# Altium PCB Power Distribution Board Rev6.PcbDoc (part 1 of 2)
Units mil, origin at the board's own origin, x right, y up, seen from the top; angles counter-clockwise.
Board outline 4527.56 x 4527.56 mil, 4 copper layers (Top Layer, L2-Ground, L3-Ground, Bottom Layer), stack 62.449 mil thick; 199 components, 106 nets, 617 pads, 267 vias.
Unrouted connection lines stored in the file: 1.
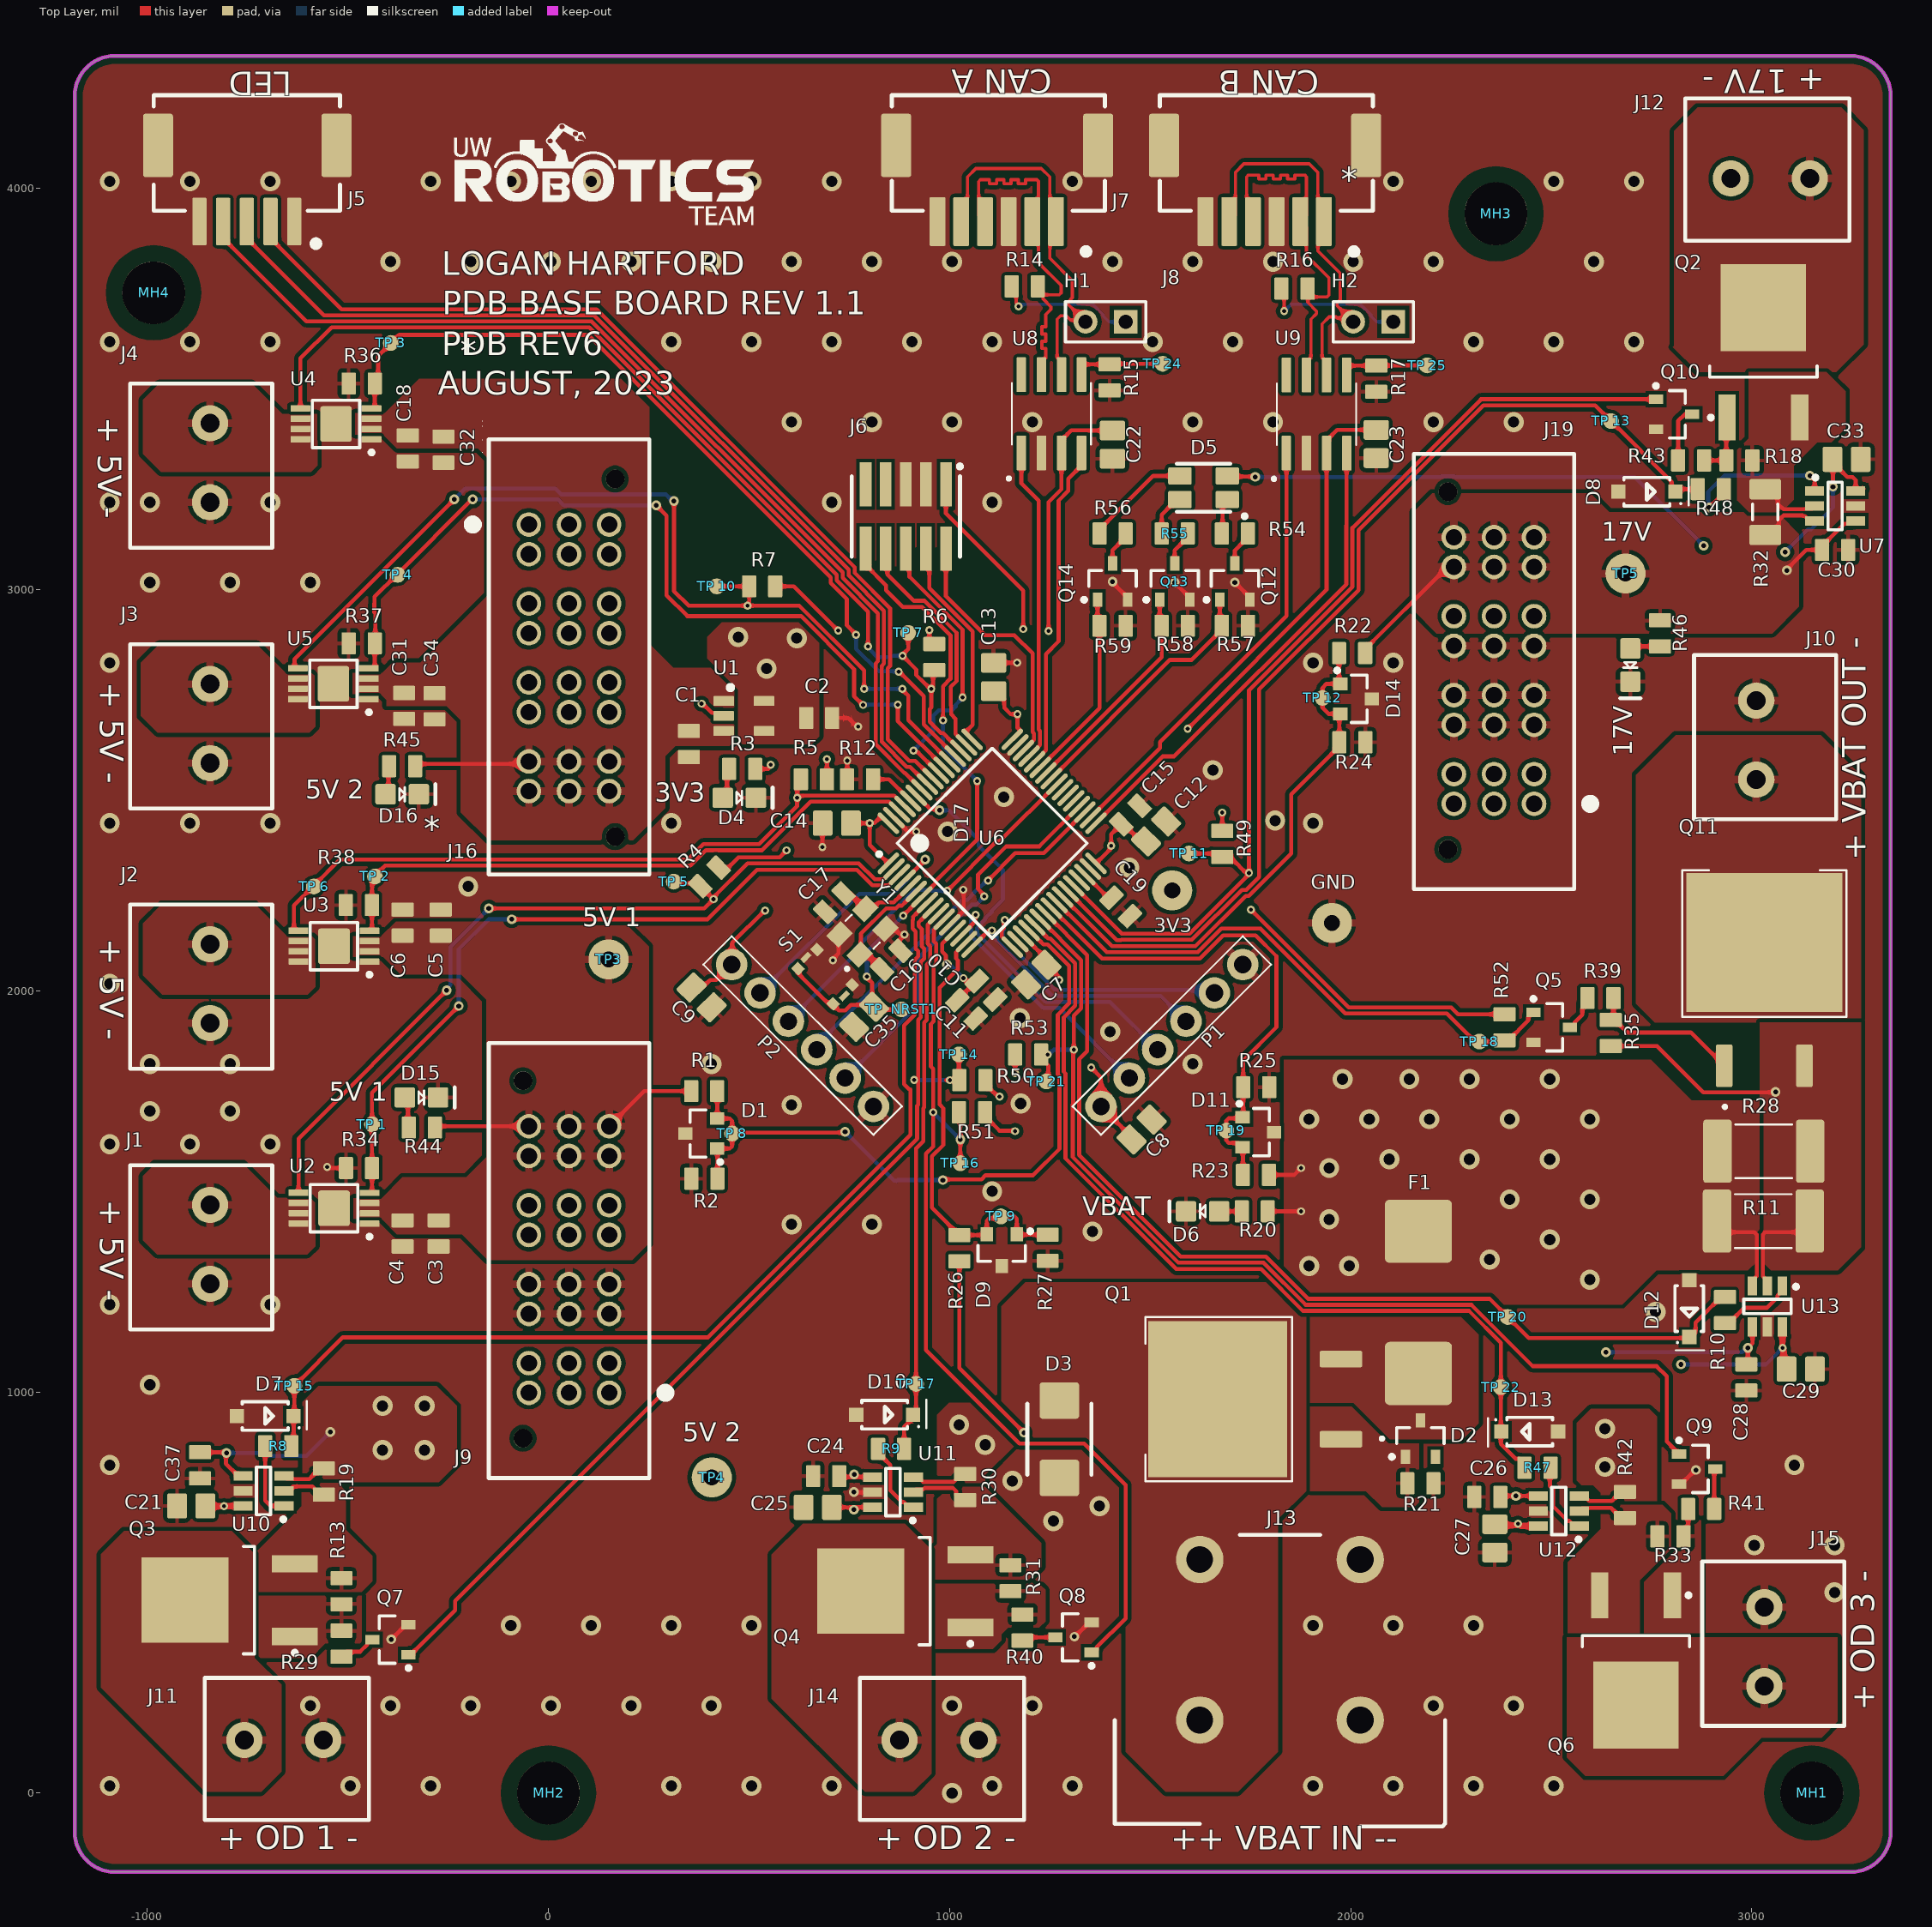
[diagram p0: Top Layer view]
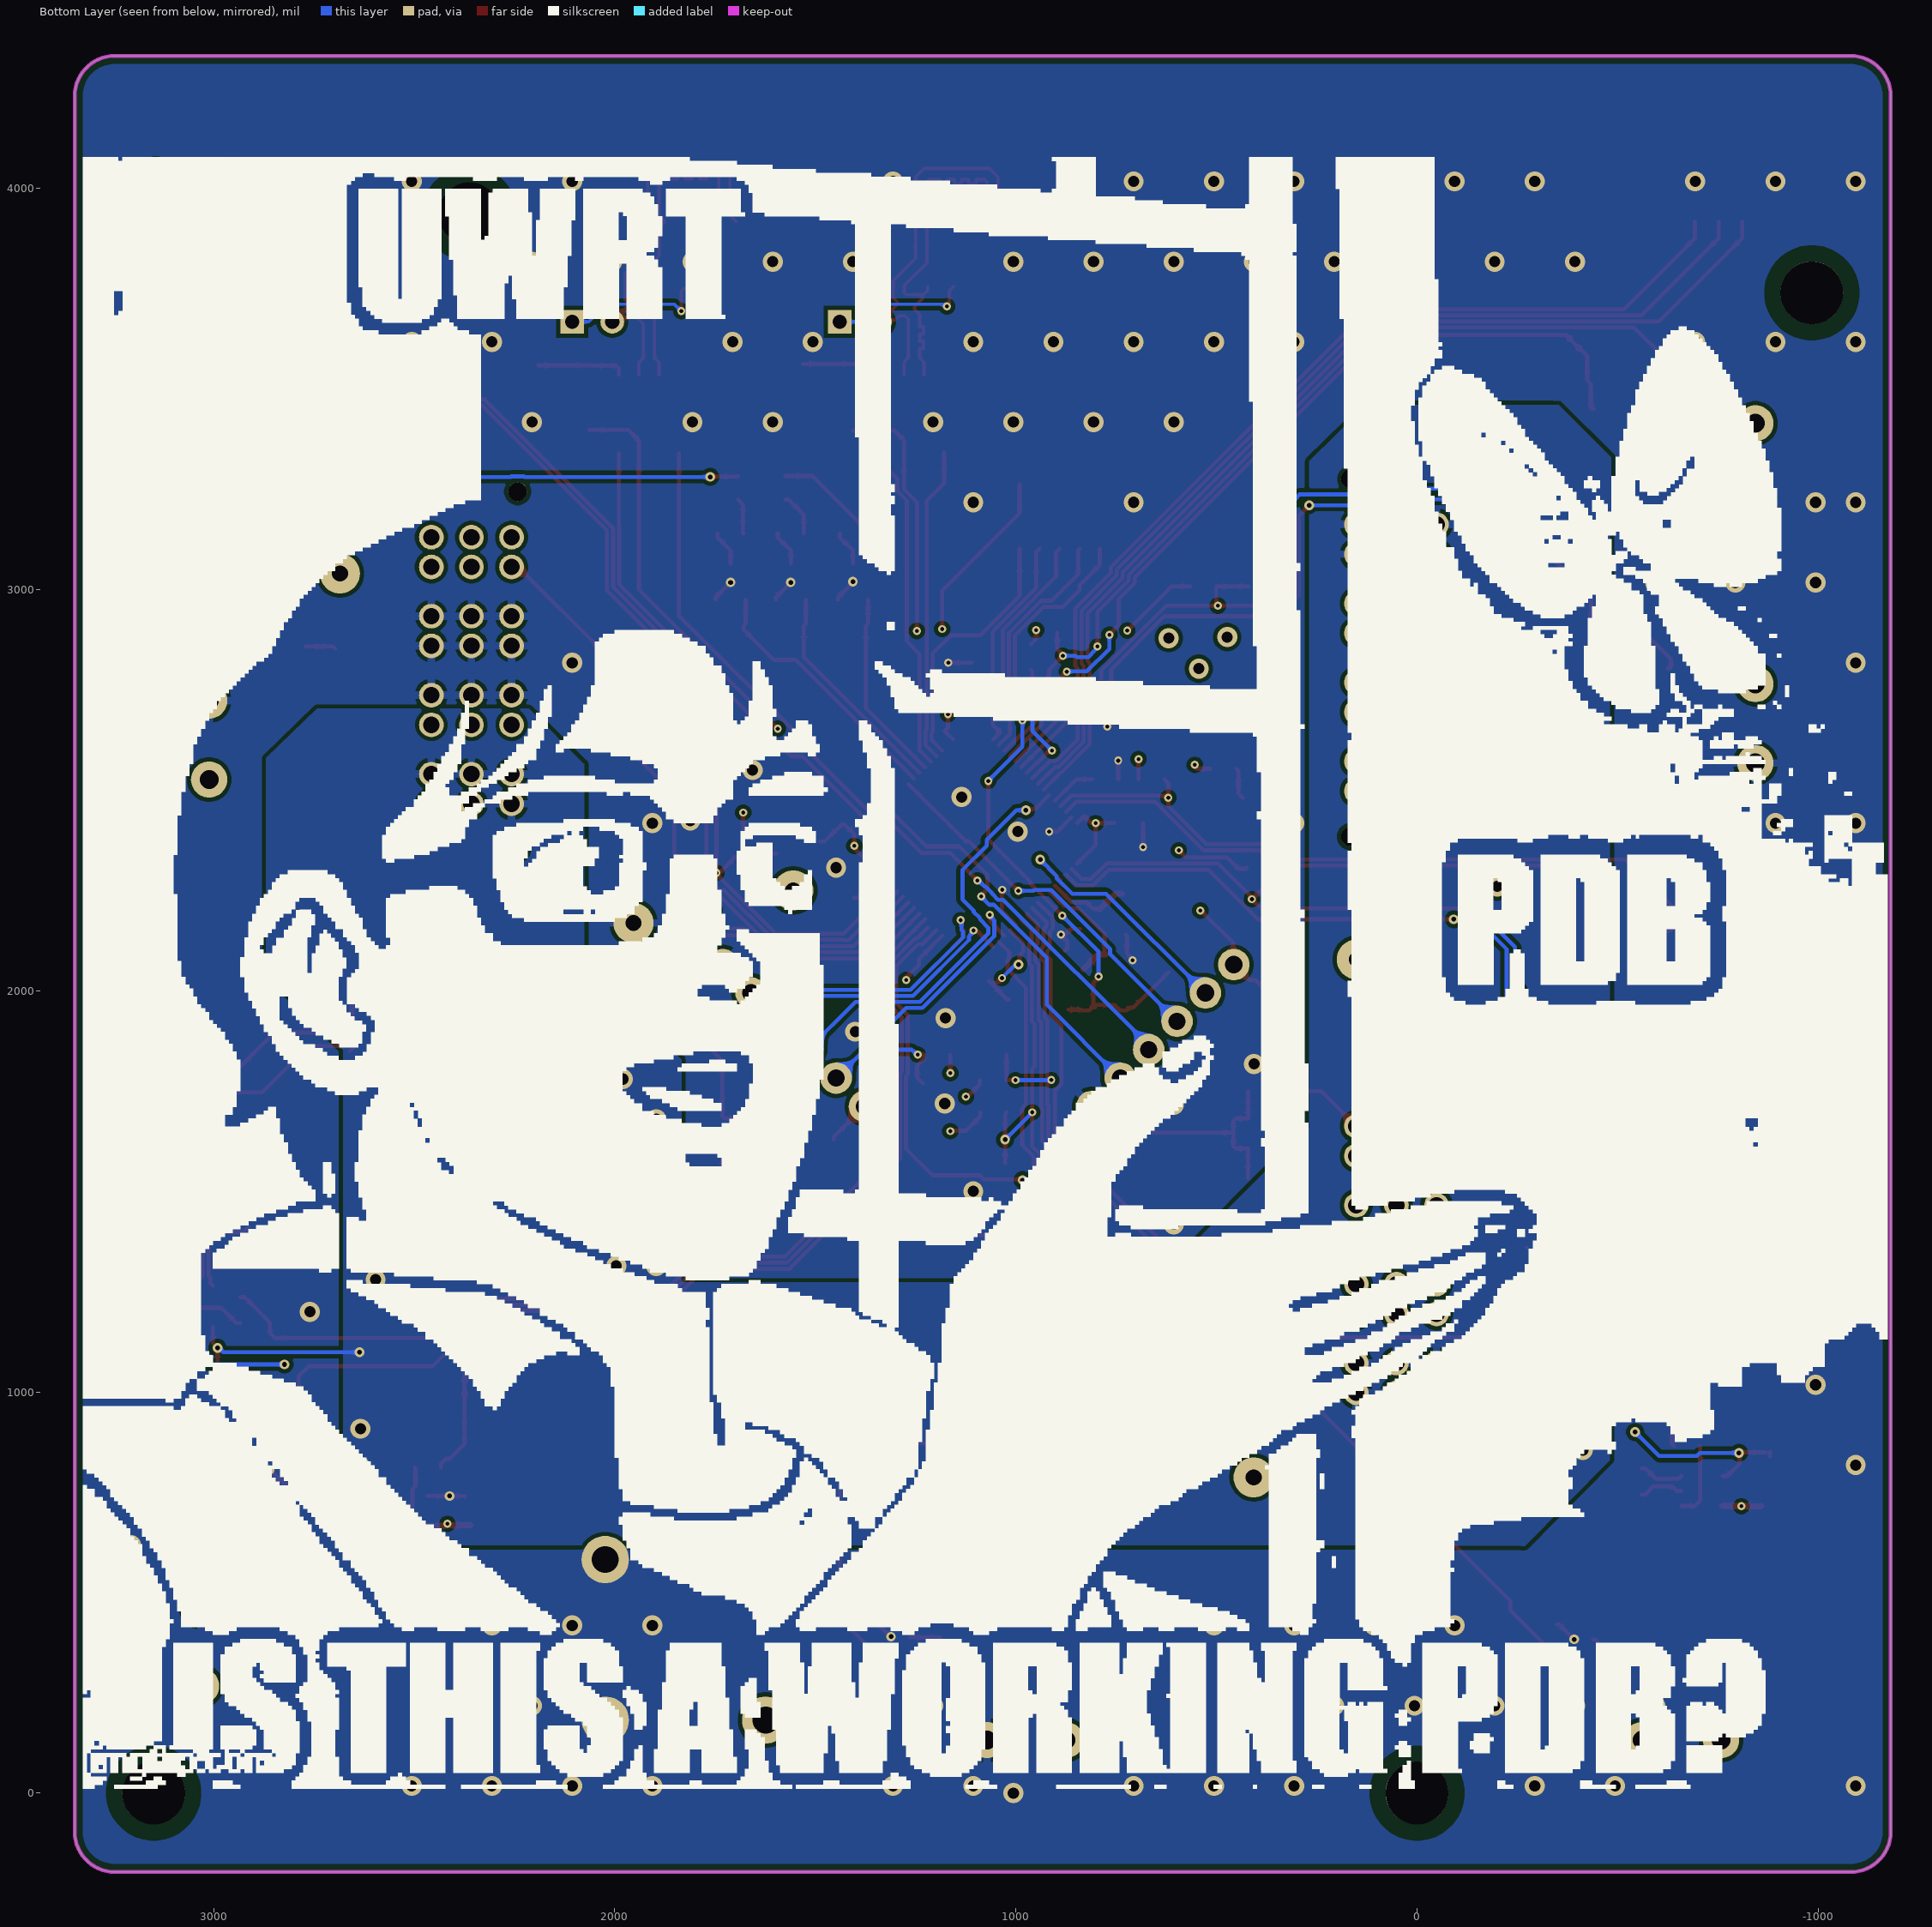
[diagram p1: Bottom Layer view, seen from below]
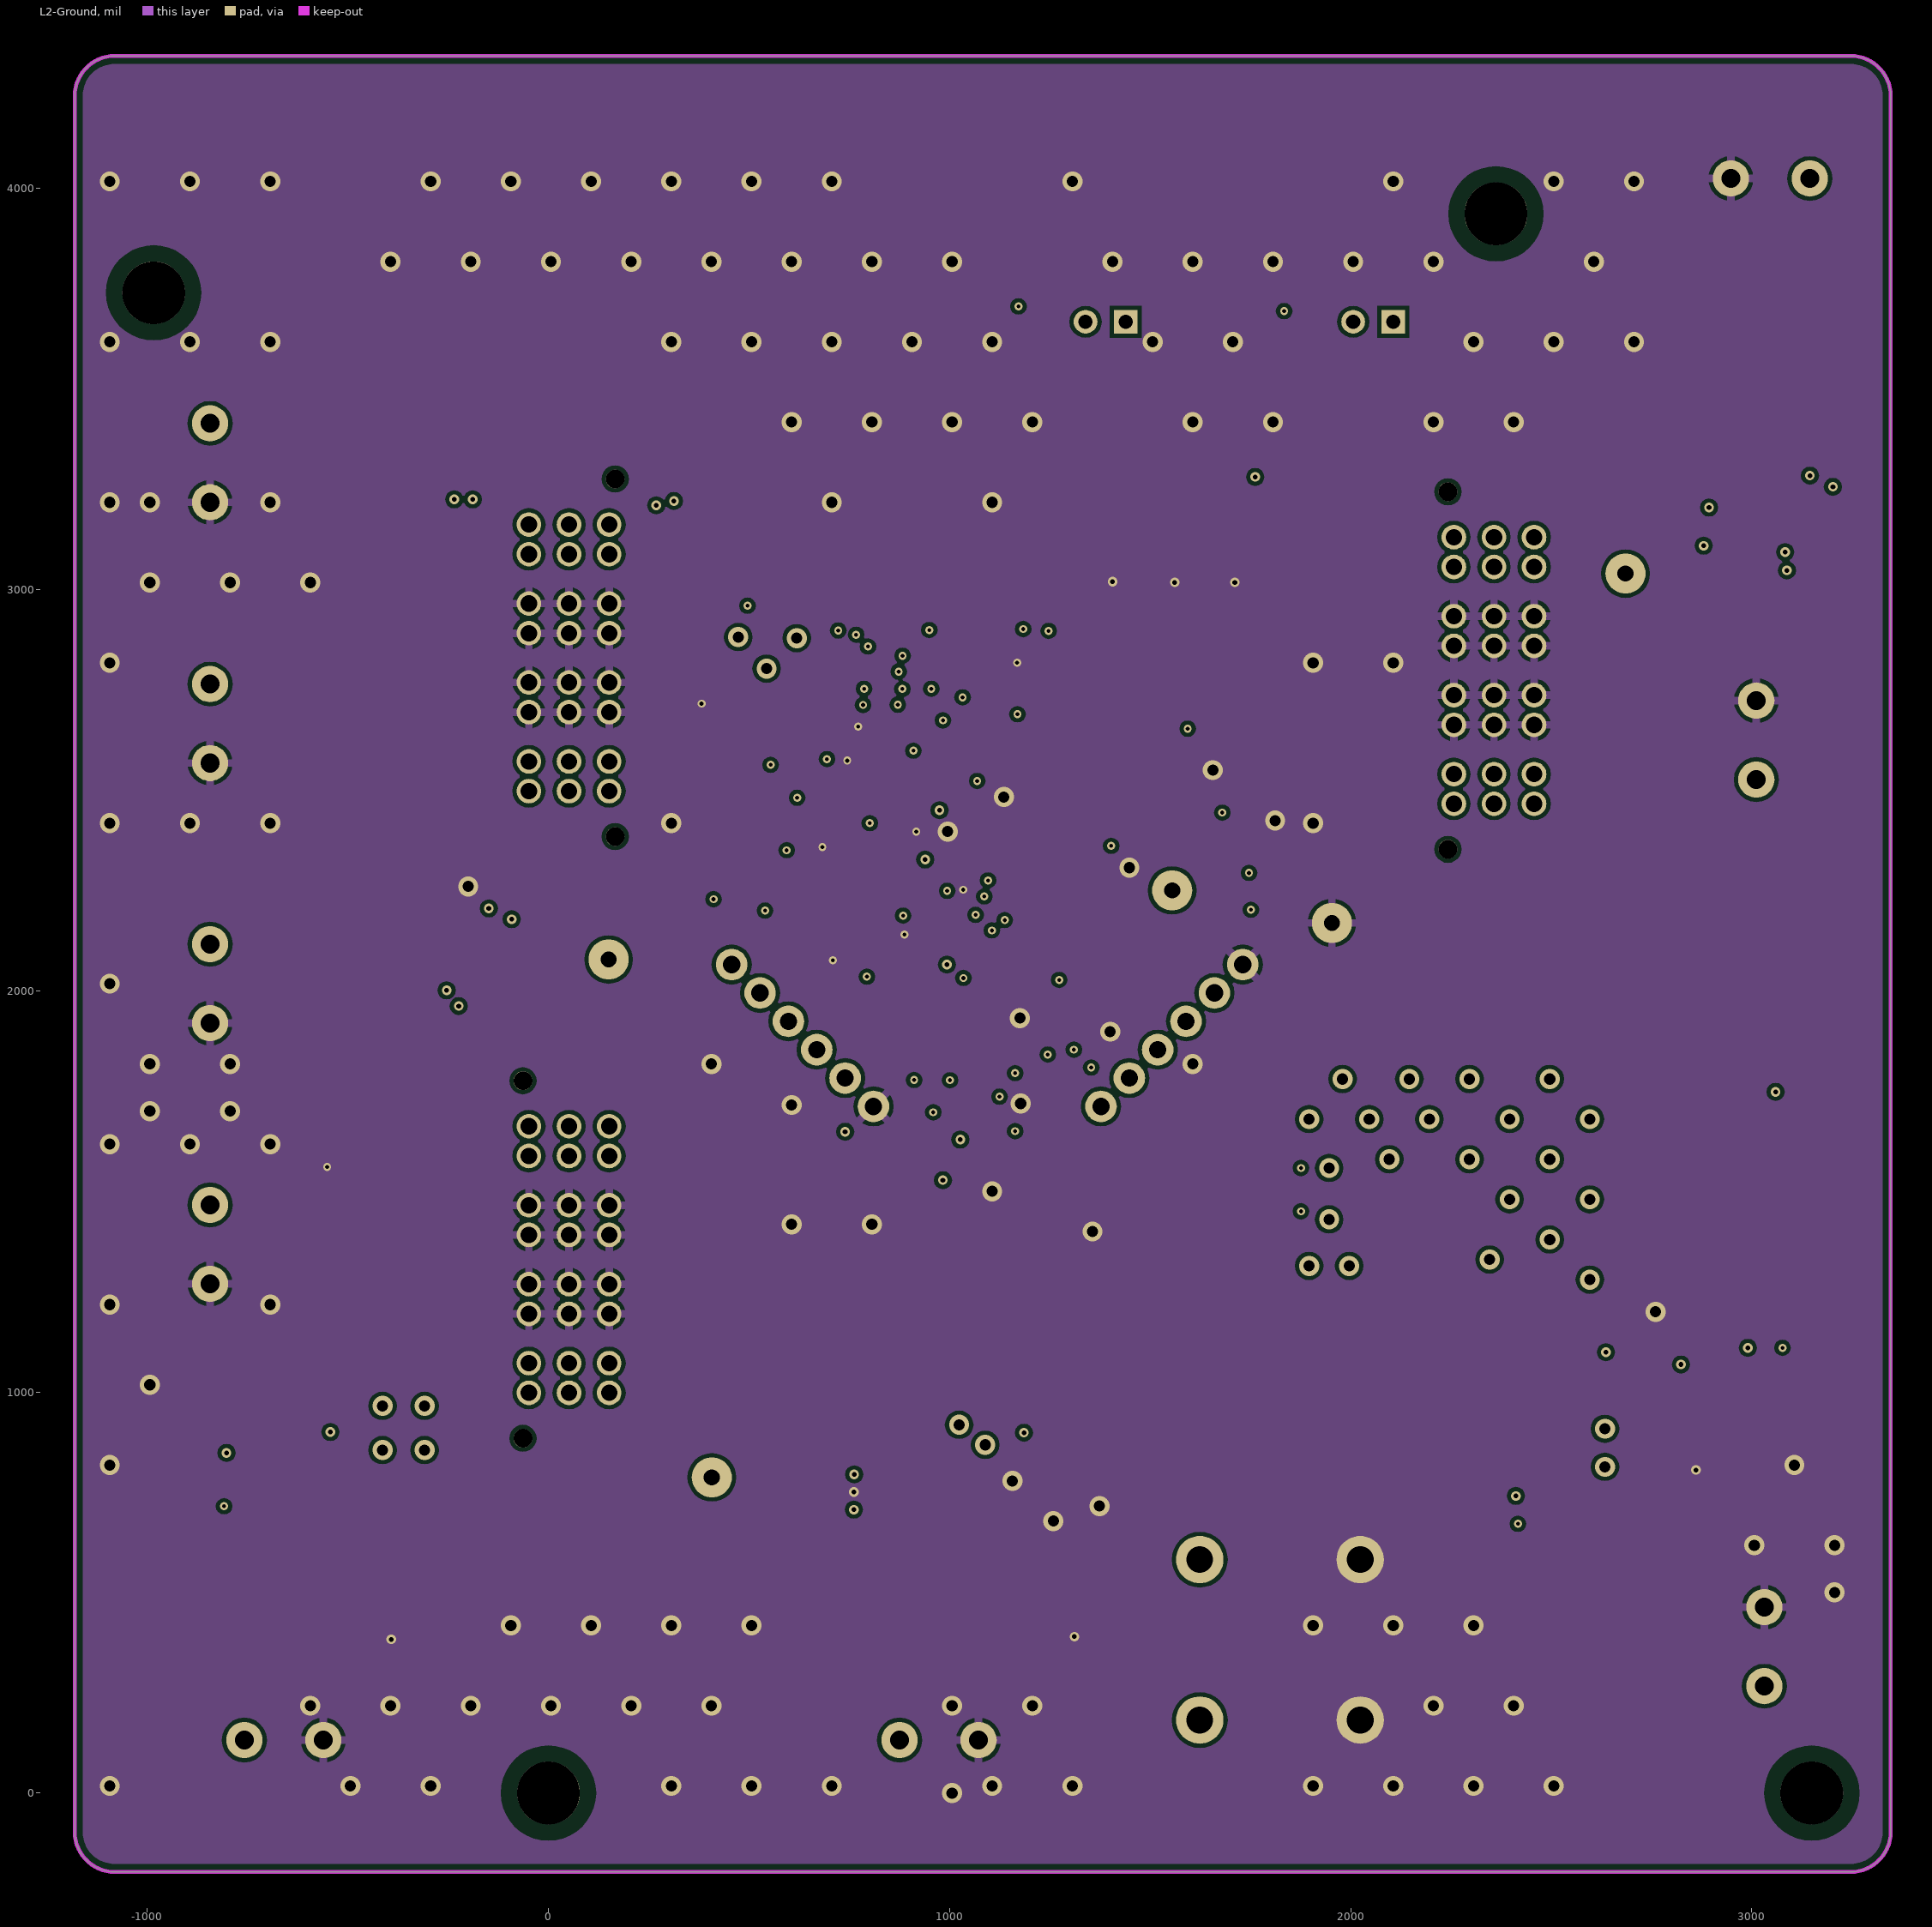
[diagram p2: L2-Ground]